# KiCad board data-center-rdimm-ddr4-tester.kicad_pcb
title: Data Center RDIMM DDR4 Tester; date: 2024-09-30; rev: 1.2.4
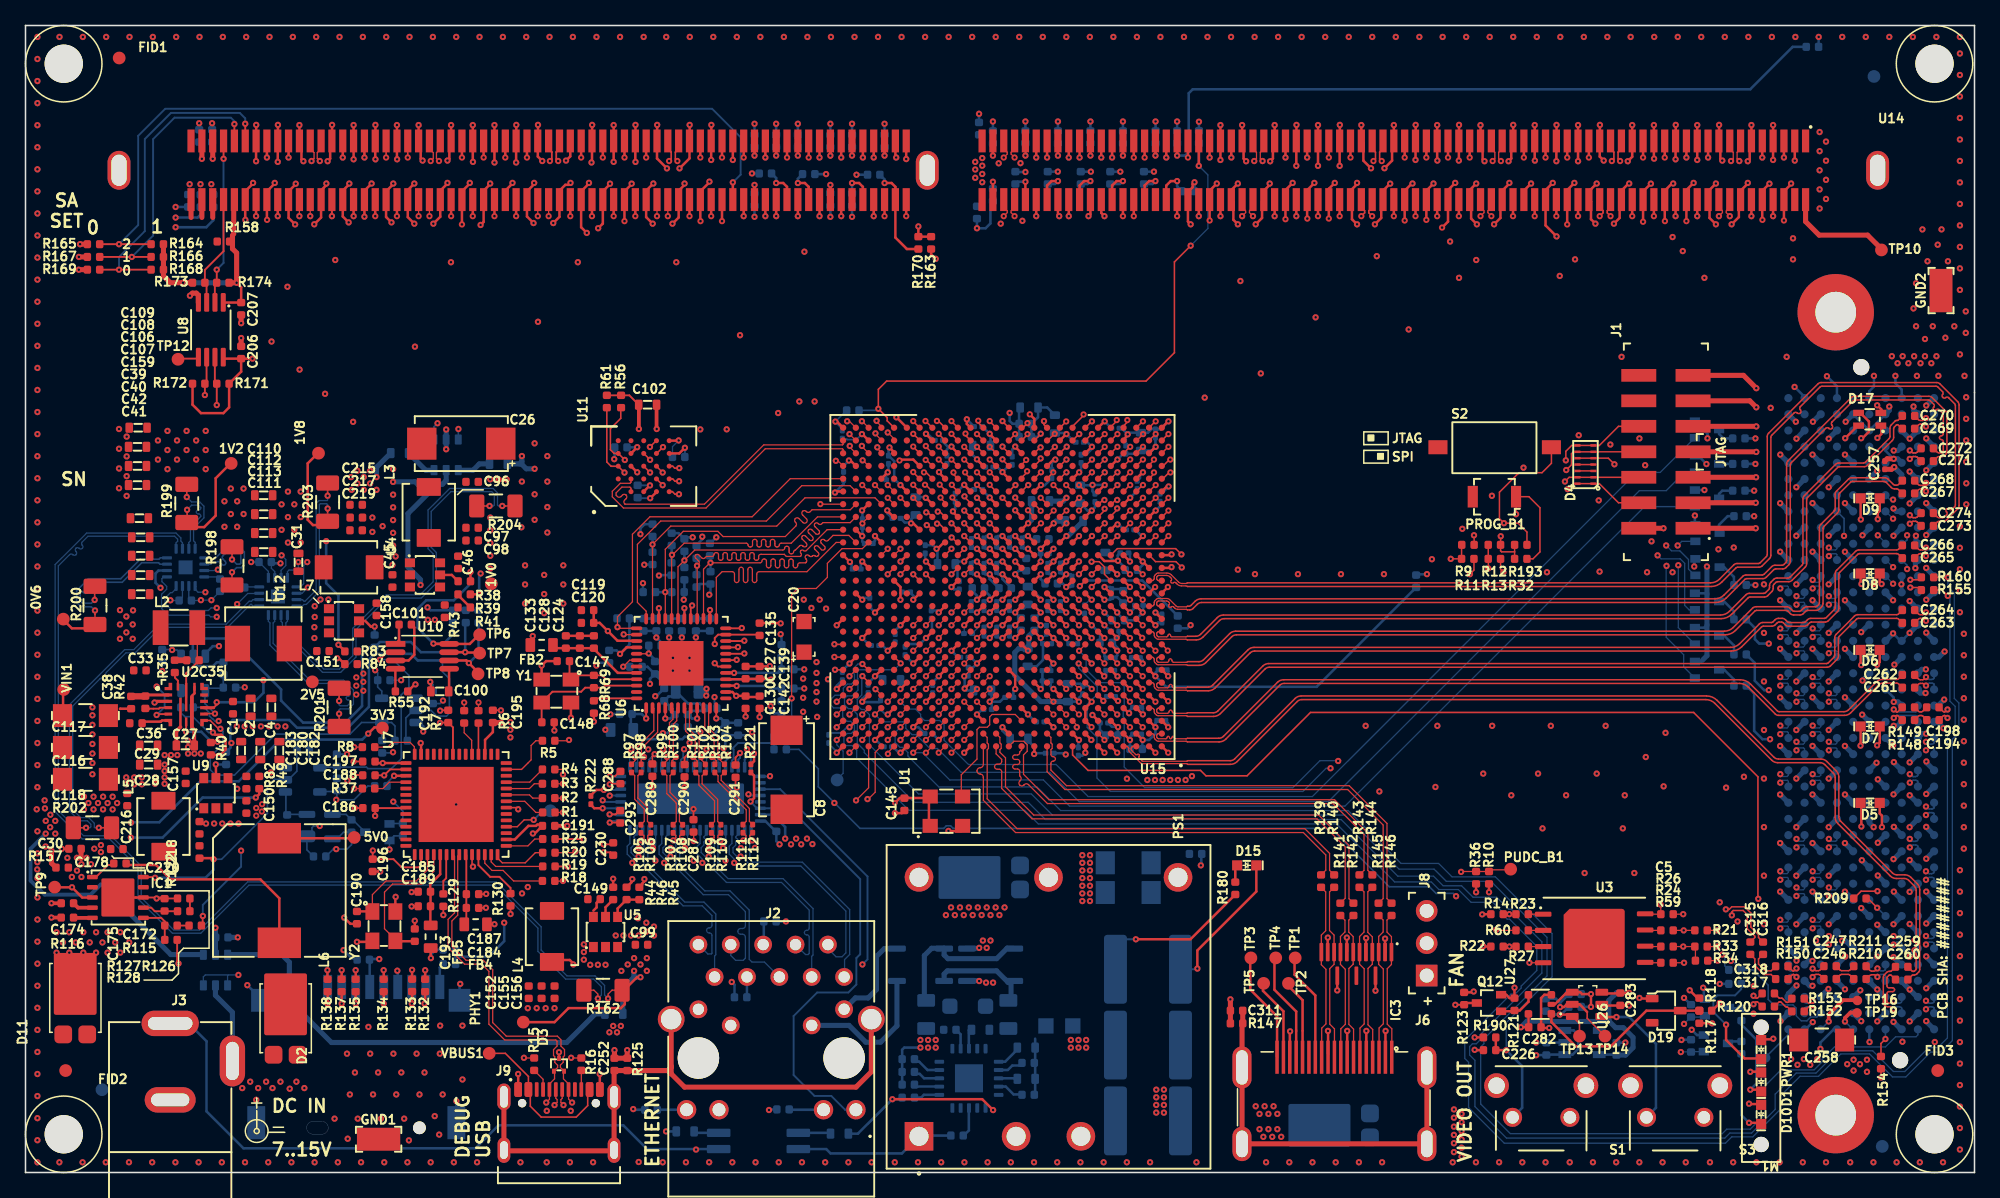
[diagram p0: board, top side]
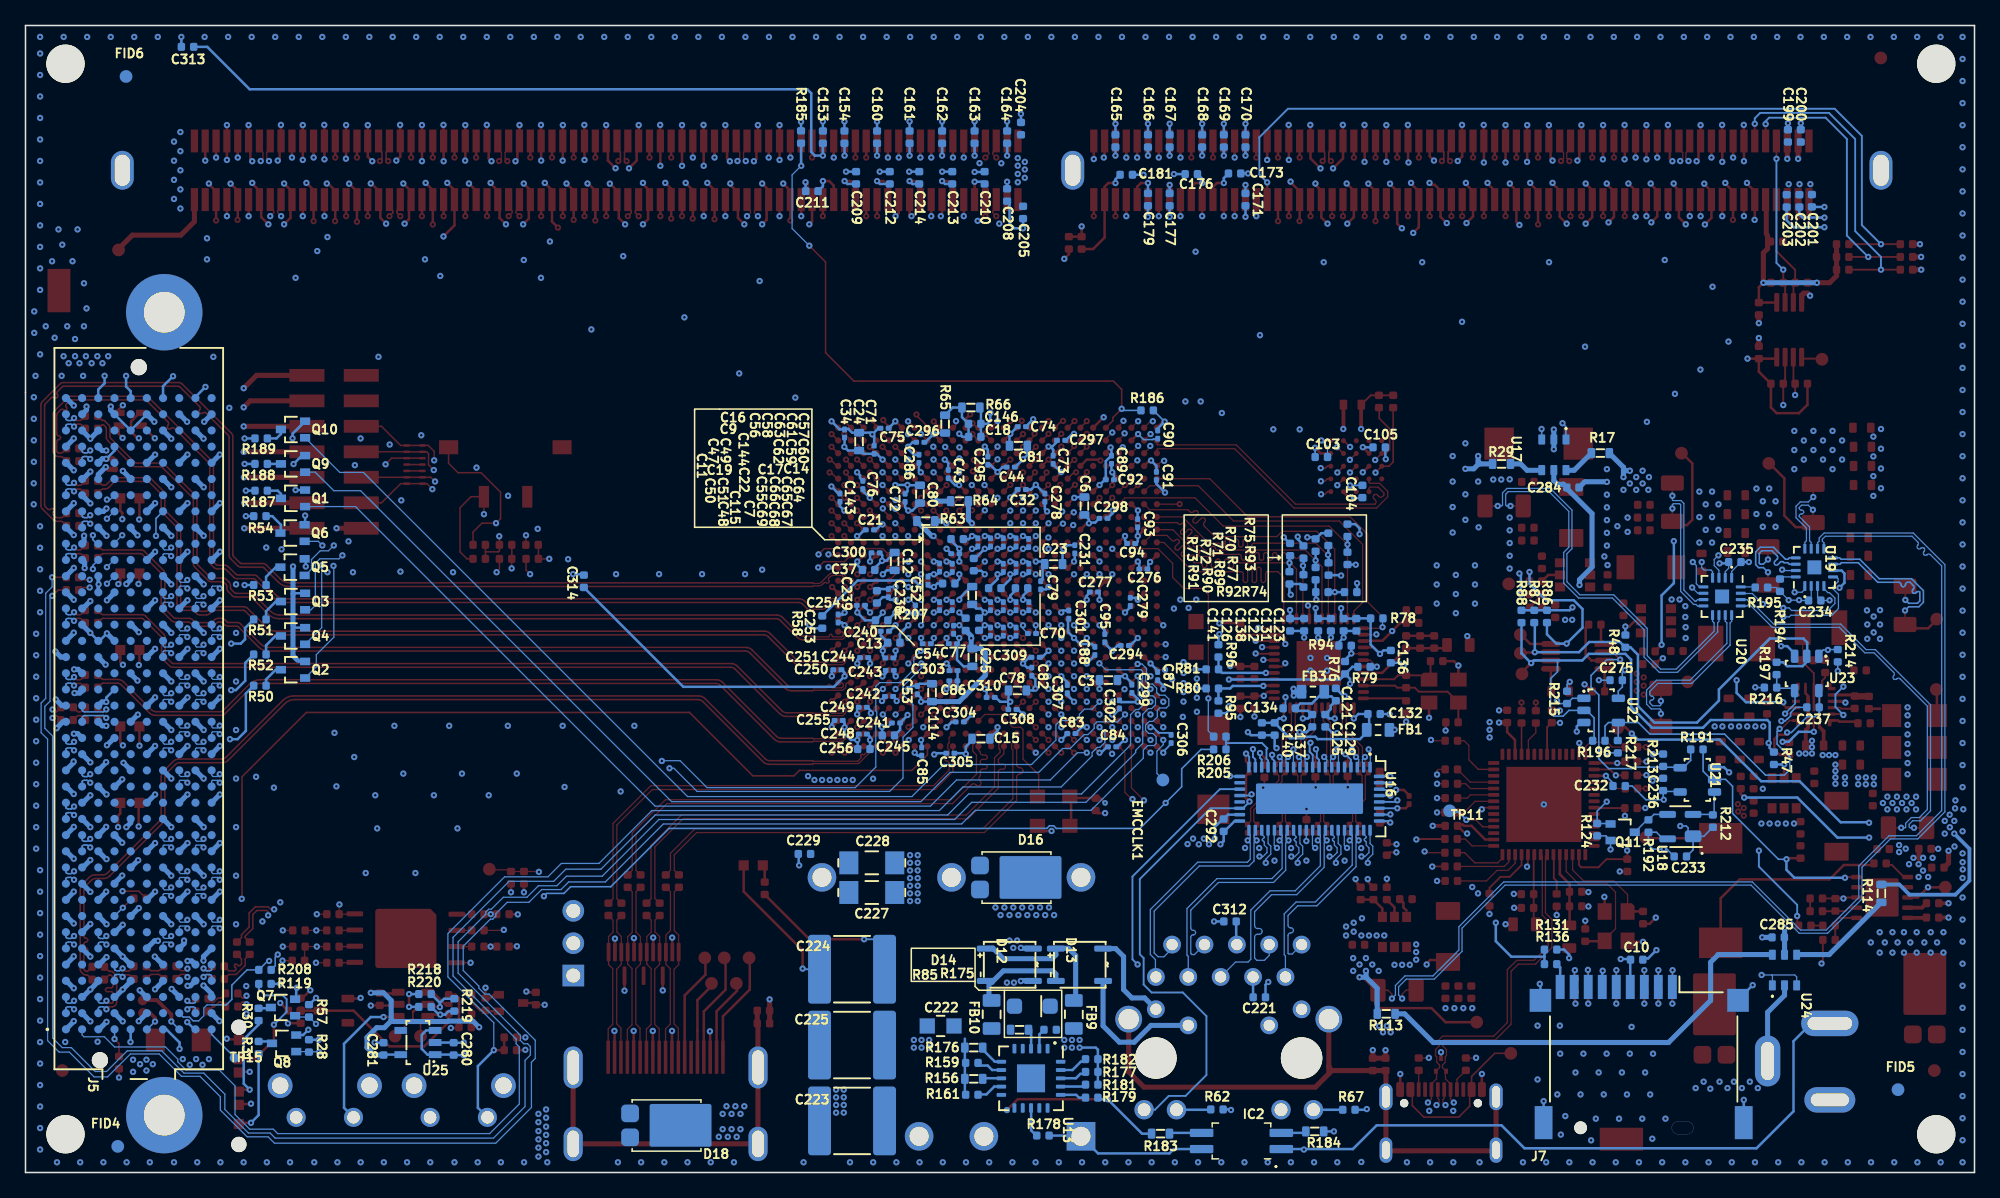
[diagram p1: board, bottom side, seen from below]

Outline 152.89 x 90 mm; copper layers: Top, In1.Cu (plane), In2.Cu, In3.Cu (plane), In4.Cu (plane), In5.Cu, In6.Cu (plane), In7.Cu, In8.Cu (plane), In9.Cu, In10.Cu (plane), Bottom. Coordinates in mm from the lower left corner of the outline.
Outline path: 0,90 152.89,90 152.89,0 0,0 0,90
Stack: Top 0.035mm / dielectric 0.074mm 1080(69%)+106(74%)S1000-2MB er 3.9 / In1.Cu 0.035mm / dielectric 0.112mm 1080(69%)+106(74%)S1000-2MB er 3.9 / In2.Cu 0.035mm / dielectric 0.126mm 1080(69%)+106(74%)S1000-2MB er 3.9 / In3.Cu 0.035mm / dielectric 0.126mm 1080(69%)+106(74%)S1000-2MB er 3.9 / In4.Cu 0.035mm / dielectric 0.13mm S1000-2M er 4.9 / In5.Cu 0.035mm / dielectric 0.106mm 1080(69%)+106(74%)S1000-2MB er 3.9 / In6.Cu 0.035mm / dielectric 0.2mm S1000-2M er 4.9 / In7.Cu 0.035mm / dielectric 0.114mm 106(74%)+1080(69%)S1000-2MB er 3.9 / In8.Cu 0.035mm / dielectric 0.1263mm 106(74%)+1080(69%)S1000-2MB er 3.9 / In9.Cu 0.035mm / dielectric 0.112mm 106(74%)+1080(69%)S1000-2MB er 3.9 / In10.Cu 0.035mm / dielectric 0.074mm 106(74%)+1080(69%)S1000-2MB er 3.9 / Bottom 0.035mm

## Placement (name value [footprint] x y rotation side)
0V6  TP_1mm_SMD  [Testpoint_smd_1mm]  2.97 43.42 90 top
1V0  TP_1mm_SMD  [Testpoint_smd_1mm]  36.54 46.19 90 top
1V2  TP_1mm_SMD  [Testpoint_smd_1mm]  16.14 55.64 0 top
1V8  TP_1mm_SMD  [Testpoint_smd_1mm]  22.99 56.44 90 top
2V5  TP_1mm_SMD  [Testpoint_smd_1mm]  22.5 38.5 180 top
3V3  TP_1mm_SMD  [Testpoint_smd_1mm]  28 34.88 0 top
5V0  TP_1mm_SMD  [Testpoint_smd_1mm]  25.79 26.29 180 top
C1  C_10u_0402  [C_0402_1005Metric]  16.28 36.47 270 top
C2  C_100n_0603  [C_0603_1608Metric]  17.66 36.5 270 top
C3  C_47u_0603  [C_0603_1608Metric]  67.94 38.64 0 bottom
C4  C_1u_0603  [C_0603_1608Metric]  19.29 36.5 270 top
C5  C_100n_0402  [C_0402_1005Metric]  128.77 20.27 0 top
C6  C_47u_0603  [C_0603_1608Metric]  69.82 52.3 90 bottom
C7  C_4u7_0402  [C_0402_1005Metric]  78.09 43.02 270 bottom
C8  C_330u_KEMET_D  [KEMET_D]  59.7 31.6 270 top
C9  C_100n_0201  [C_0201]  79.95 48.55 180 bottom
C10  C_1u_0402  [C_0402_1005Metric]  26.5 16.7 180 bottom
C11  C_100n_0201  [C_0201]  82.09 46.44 90 bottom
C12  C_47u_0603  [C_0603_1608Metric]  84.71 47.95 270 bottom
C13  C_470n_0402  [C_0402_1005Metric]  84.78 41.58 0 bottom
C14  C_4u7_0402  [C_0402_1005Metric]  74.75 45.85 0 bottom
C15  C_47u_0603  [C_0603_1608Metric]  77.94 34.04 180 bottom
C16  C_4u7_0402  [C_0402_1005Metric]  79.8 49.7 0 bottom
C17  C_4u7_0402  [C_0402_1005Metric]  76.85 45.85 0 bottom
C18  C_100n_0402  [C_0402_1005Metric]  78.43 57.72 180 bottom
C19  C_4u7_0402  [C_0402_1005Metric]  80.46 46.21 180 bottom
C20  C_100u_KEMET_A  [KEMET_A]  61.07 42.03 90 top
C21  C_100n_0201  [C_0201]  86.65 50.42 180 bottom
C22  C_47u_0603  [C_0603_1608Metric]  78.62 45.28 90 bottom
C23  C_47u_0603  [C_0603_1608Metric]  72.24 47.74 180 bottom
C24  C_47u_0603  [C_0603_1608Metric]  87.5 57.35 90 bottom
C25  C_47u_0603  [C_0603_1608Metric]  78.61 40.41 270 bottom
C26  C_330u_KEMET_D  [KEMET_D]  34.19 57.19 180 top
C27  C_10u_25V_0603  [C_0603_1608Metric]  12.54 33.5 0 top
C28  C_10u_25V_0603  [C_0603_1608Metric]  9.66 32 180 top
C29  C_10u_25V_0603  [C_0603_1608Metric]  9.66 33.5 180 top
C30  C_100n_0402  [C_0402_1005Metric]  3.88 25.4 180 top
C31  C_22u_0603  [C_0603_1608Metric]  21.41 47.88 90 top
C32  C_100n_0201  [C_0201]  74.74 53.59 180 bottom
C33  C_10u_0402  [C_0402_1005Metric]  8.97 39.4 180 top
C34  C_100n_0201  [C_0201]  88.64 57.99 90 bottom
C35  C_100n_0402  [C_0402_1005Metric]  13.14 40.19 0 top
C36  C_470n_0402  [C_0402_1005Metric]  8.66 35.25 180 top
C37  C_470n_0402  [C_0402_1005Metric]  86.75 47.28 0 bottom
C38  C_10u_0402  [C_0402_1005Metric]  8.29 36.88 270 top
C39  C_22u_0603  [C_0603_1608Metric]  9.04 49.84 180 top
C40  C_22u_0603  [C_0603_1608Metric]  9.04 48.39 180 top
C41  C_22u_0603  [C_0603_1608Metric]  9.04 45.38 180 top
C42  C_22u_0603  [C_0603_1608Metric]  9.04 46.88 180 top
C43  C_100n_0201  [C_0201]  80.5 54.8 90 bottom
C44  C_100n_0201  [C_0201]  75.6 55.35 0 bottom
C45  C_10u_0402  [C_0402_1005Metric]  28.79 46.41 90 top
C46  C_100n_0402  [C_0402_1005Metric]  33.94 47.87 90 top
C47  C_100n_0201  [C_0201]  81.19 47.46 270 bottom
C48  C_100n_0201  [C_0201]  80.09 42.59 270 bottom
C49  C_100n_0201  [C_0201]  80.19 47.44 90 bottom
C50  C_100n_0201  [C_0201]  81.19 44.44 270 bottom
C51  C_100n_0201  [C_0201]  80.19 44.44 90 bottom
C52  C_100n_0201  [C_0201]  83.08 44.18 90 bottom
C53  C_100n_0201  [C_0201]  82.93 37.85 90 bottom
C54  C_100n_0201  [C_0201]  82.19 41.49 180 bottom
C55  C_100n_0201  [C_0201]  77.19 44.44 90 bottom
C56  C_100n_0201  [C_0201]  78.19 49.44 270 bottom
C57  C_100n_0201  [C_0201]  74.2 49.39 270 bottom
C58  C_100n_0201  [C_0201]  77.19 49.44 90 bottom
C59  C_100n_0201  [C_0201]  75.19 47.44 90 bottom
C60  C_100n_0201  [C_0201]  74.19 47.44 270 bottom
C61  C_100n_0201  [C_0201]  75.19 49.44 90 bottom
C62  C_100n_0201  [C_0201]  76.19 47.44 270 bottom
C63  C_100n_0201  [C_0201]  76.19 49.44 270 bottom
C64  C_100n_0201  [C_0201]  74.19 44.44 270 bottom
C65  C_100n_0201  [C_0201]  75.19 44.44 90 bottom
C66  C_100n_0201  [C_0201]  76.19 44.44 270 bottom
C67  C_100n_0201  [C_0201]  75.19 42.44 90 bottom
C68  C_100n_0201  [C_0201]  76.19 42.44 270 bottom
C69  C_100n_0201  [C_0201]  77.19 42.44 90 bottom
C70  C_100n_0201  [C_0201]  73.94 42.29 180 bottom
C71  C_100n_0201  [C_0201]  86.31 56.71 90 bottom
C72  C_100n_0201  [C_0201]  83.89 52.94 90 bottom
C73  C_100n_0201  [C_0201]  72.28 55.92 90 bottom
C74  C_100n_0201  [C_0201]  74.72 58.53 0 bottom
C75  C_100n_0201  [C_0201]  85.5 58.4 0 bottom
C76  C_100n_0201  [C_0201]  87.2 53.95 90 bottom
C77  C_100n_0201  [C_0201]  80.14 41.49 180 bottom
C78  C_47u_0603  [C_0603_1608Metric]  75.07 37.83 0 bottom
C79  C_100n_0201  [C_0201]  73.25 46.08 270 bottom
C80  C_47u_0603  [C_0603_1608Metric]  82.72 53.22 90 bottom
C81  C_47u_0603  [C_0603_1608Metric]  75 57.03 0 bottom
C82  C_100n_0201  [C_0201]  73.95 39.3 90 bottom
C83  C_100n_0201  [C_0201]  70.85 34.44 180 bottom
C84  C_100n_0201  [C_0201]  67.65 33.4 180 bottom
C85  C_100n_0201  [C_0201]  82.59 33.03 270 bottom
C86  C_100n_0201  [C_0201]  80.1 38.58 180 bottom
C87  C_100n_0201  [C_0201]  64.07 38.95 90 bottom
C88  C_100n_0201  [C_0201]  69 40.92 90 bottom
C89  C_100n_0201  [C_0201]  67.7 55.92 270 bottom
C90  C_100n_0201  [C_0201]  64.07 57.9 270 bottom
C91  C_100n_0201  [C_0201]  64.18 54.65 270 bottom
C92  C_100n_0201  [C_0201]  67.82 54.35 180 bottom
C93  C_100n_0201  [C_0201]  65.65 50.95 270 bottom
C94  C_100n_0201  [C_0201]  66.15 49.35 180 bottom
C95  C_100n_0201  [C_0201]  68.22 41.92 270 bottom
C96  C_22u_0402  [C_0402_1005Metric]  35.04 54.19 0 top
C97  C_22u_0402  [C_0402_1005Metric]  35.04 50.59 0 top
C98  C_1u_0402  [C_0402_1005Metric]  35.04 49.59 0 top
C99  C_10u_0402  [C_0402_1005Metric]  48.32 17.87 0 top
C100  C_10n_0603  [C_0603_1608Metric]  32.5 37.75 180 top
C101  C_100n_0402  [C_0402_1005Metric]  29.79 42.99 0 top
C102  C_47u_0603  [C_0603_1608Metric]  48.8 60.24 0 top
C103  C_100n_0402  [C_0402_1005Metric]  51.24 56.14 180 bottom
C104  C_100n_0402  [C_0402_1005Metric]  48.02 53.44 90 bottom
C105  C_100n_0402  [C_0402_1005Metric]  46.7 56.9 180 bottom
C106  C_10n_0603  [C_0603_1608Metric]  8.79 55.44 180 top
C107  C_10n_0603  [C_0603_1608Metric]  8.79 53.94 180 top
C108  C_10n_0603  [C_0603_1608Metric]  8.79 56.94 180 top
C109  C_10n_0603  [C_0603_1608Metric]  8.84 58.44 180 top
C110  C_10n_0603  [C_0603_1608Metric]  18.69 53.14 0 top
C111  C_10n_0603  [C_0603_1608Metric]  18.69 48.69 0 top
C112  C_10n_0603  [C_0603_1608Metric]  18.69 51.66 0 top
C113  C_10n_0603  [C_0603_1608Metric]  18.69 50.17 0 top
C114  C_47u_0603  [C_0603_1608Metric]  81.78 37.65 90 bottom
C115  C_4u7_0402  [C_0402_1005Metric]  79.14 43.01 90 bottom
C116  C_47u_16V_1206  [C_1206_3216Metric]  4.7 33.35 0 top
C117  C_47u_16V_1206  [C_1206_3216Metric]  4.7 35.85 0 top
C118  C_47u_16V_1206  [C_1206_3216Metric]  4.7 30.85 0 top
C119  C_4u7_0402  [C_0402_1005Metric]  44.09 44.13 180 top
C120  C_470n_0402  [C_0402_1005Metric]  44.09 43.13 180 top
C121  C_4u7_0402  [C_0402_1005Metric]  50.1 37.5 90 bottom
C122  C_470n_0402  [C_0402_1005Metric]  50.49 42.98 270 bottom
C123  C_4u7_0402  [C_0402_1005Metric]  48.49 42.98 270 bottom
C124  C_4u7_0402  [C_0402_1005Metric]  44.59 41.63 270 top
C125  C_470n_0402  [C_0402_1005Metric]  51.95 35.45 270 bottom
C126  C_470n_0402  [C_0402_1005Metric]  52.59 42.98 270 bottom
C127  C_470n_0402  [C_0402_1005Metric]  56.49 39.23 90 top
C128  C_100n_16V_0402  [C_0402_1005Metric]  43.49 41.63 270 top
C129  C_10n_0402  [C_0402_1005Metric]  50.93 35.45 270 bottom
C130  C_470n_0402  [C_0402_1005Metric]  56.49 36.9 270 top
C131  C_10n_0402  [C_0402_1005Metric]  49.49 42.98 270 bottom
C132  C_4u7_0402  [C_0402_1005Metric]  47.1 35.97 180 bottom
C133  C_10n_0402  [C_0402_1005Metric]  42.39 41.63 270 top
C134  C_10n_0402  [C_0402_1005Metric]  53.75 36.42 0 bottom
C135  C_10n_0402  [C_0402_1005Metric]  57.59 42.63 90 top
C136  C_10n_0402  [C_0402_1005Metric]  45.79 40.48 270 bottom
C137  C_4u7_0402  [C_0402_1005Metric]  54.9 34.8 270 bottom
C138  C_10n_0402  [C_0402_1005Metric]  51.49 42.98 270 bottom
C139  C_10n_0402  [C_0402_1005Metric]  57.59 39.23 90 top
C140  C_4u7_0402  [C_0402_1005Metric]  55.9 34.8 270 bottom
C141  C_10n_0402  [C_0402_1005Metric]  53.69 42.98 270 bottom
C142  C_10n_0402  [C_0402_1005Metric]  57.59 36.9 270 top
C143  C_100n_0201  [C_0201]  89 52.95 270 bottom
C144  C_4u7_0402  [C_0402_1005Metric]  78.5 47.7 270 bottom
C145  C_100n_0402  [C_0402_1005Metric]  68.94 28.89 270 top
C146  C_100n_0402  [C_0402_1005Metric]  78.43 58.75 180 bottom
C147  C_22p_0402  [C_0402_1005Metric]  42.19 40.13 180 top
C148  C_22p_0402  [C_0402_1005Metric]  40.99 35.33 0 top
C149  C_100n_0402  [C_0402_1005Metric]  44.6 21.45 180 top
C150  C_10u_0402  [C_0402_1005Metric]  17.33 28.68 270 top
C151  C_10u_0402  [C_0402_1005Metric]  23.34 40.91 180 top
C152  C_22u_0402  [C_0402_1005Metric]  39.47 14.15 270 top
C153  C_100n_0402  [C_0402_1005Metric]  90.34 81.24 90 bottom
C154  C_100n_0402  [C_0402_1005Metric]  88.65 81.24 90 bottom
C155  C_22u_0402  [C_0402_1005Metric]  40.48 14.15 270 top
C156  C_1u_0402  [C_0402_1005Metric]  41.5 14.15 270 top
C157  C_100n_0402  [C_0402_1005Metric]  12.57 31.01 270 top
C158  C_100n_0402  [C_0402_1005Metric]  27.54 44.19 90 top
C159  C_22u_0603  [C_0603_1608Metric]  8.94 51.34 180 top
C160  C_100n_0402  [C_0402_1005Metric]  86.09 81.24 90 bottom
C161  C_100n_0402  [C_0402_1005Metric]  83.54 81.24 90 bottom
C162  C_100n_0402  [C_0402_1005Metric]  80.99 81.24 90 bottom
C163  C_100n_0402  [C_0402_1005Metric]  78.44 81.24 90 bottom
C164  C_100n_0402  [C_0402_1005Metric]  75.89 81.24 90 bottom
C165  C_100n_0402  [C_0402_1005Metric]  67.39 80.94 90 bottom
C166  C_100n_0402  [C_0402_1005Metric]  64.84 80.94 90 bottom
C167  C_100n_0402  [C_0402_1005Metric]  63.14 80.94 90 bottom
C168  C_100n_0402  [C_0402_1005Metric]  60.59 80.94 90 bottom
C169  C_100n_0402  [C_0402_1005Metric]  58.89 80.94 90 bottom
C170  C_100n_0402  [C_0402_1005Metric]  57.19 80.94 90 bottom
C171  C_100n_0402  [C_0402_1005Metric]  57.19 76.34 270 bottom
C172  C_4n7_0402  [C_0402_1005Metric]  12.41 21.5 180 top
C173  C_100n_0402  [C_0402_1005Metric]  58.04 78.39 180 bottom
C174  C_10n_0402  [C_0402_1005Metric]  3.29 21.13 0 top
C175  C_47p_0402  [C_0402_1005Metric]  10.91 21 90 top
C176  C_100n_0402  [C_0402_1005Metric]  61.44 78.34 0 bottom
C177  C_100n_0402  [C_0402_1005Metric]  63.14 76.34 270 bottom
C178  C_100n_0402  [C_0402_1005Metric]  7.41 24.25 0 top
C179  C_100n_0402  [C_0402_1005Metric]  64.84 76.34 270 bottom
C180  C_47u_0603  [C_0603_1608Metric]  18.42 33.11 90 top
C181  C_100n_0402  [C_0402_1005Metric]  66.54 78.29 180 bottom
C182  C_47u_0603  [C_0603_1608Metric]  19.92 33.11 90 top
C183  C_47u_0603  [C_0603_1608Metric]  16.92 33.11 90 top
C184  C_100n_0402  [C_0402_1005Metric]  35.07 20.76 0 top
C185  C_100n_0402  [C_0402_1005Metric]  31.29 22.03 180 top
C186  C_100n_0402  [C_0402_1005Metric]  26.95 28.59 180 top
C187  C_4u7_0402  [C_0402_1005Metric]  35.07 21.84 0 top
C188  C_100n_0402  [C_0402_1005Metric]  26.94 31.17 180 top
C189  C_4u7_0402  [C_0402_1005Metric]  31.29 20.89 180 top
C190  C_18p_0402  [C_0402_1005Metric]  26 20 270 top
C191  C_100n_0402  [C_0402_1005Metric]  41.03 27.2 0 top
C192  C_100n_0402  [C_0402_1005Metric]  33.16 35.79 90 top
C193  C_18p_0402  [C_0402_1005Metric]  30.54 18.63 90 top
C194  C_100n_0402  [C_0402_1005Metric]  149.63 35.5 0 top
C195  C_4u7_0402  [C_0402_1005Metric]  36.66 35.79 90 top
C196  C_100n_0402  [C_0402_1005Metric]  27.24 24.1 270 top
C197  C_100n_0402  [C_0402_1005Metric]  26.94 32.25 180 top
C198  C_100n_0402  [C_0402_1005Metric]  149.62 36.5 0 top
C199  C_100n_0402  [C_0402_1005Metric]  14.64 81.34 90 bottom
C200  C_100n_0402  [C_0402_1005Metric]  13.63 81.34 90 bottom
C201  C_100n_0402  [C_0402_1005Metric]  12.76 76.25 270 bottom
C202  C_100n_0402  [C_0402_1005Metric]  13.74 76.24 270 bottom
C203  C_100n_0402  [C_0402_1005Metric]  14.74 76.24 270 bottom
C204  C_100n_0402  [C_0402_1005Metric]  74.8 81.91 90 bottom
C205  C_100n_0402  [C_0402_1005Metric]  74.64 75.33 270 bottom
C206  C_100n_0402  [C_0402_1005Metric]  16.92 64.34 90 top
C207  C_100n_0402  [C_0402_1005Metric]  16.92 67.77 270 top
C208  C_100n_0402  [C_0402_1005Metric]  75.89 76.7 270 bottom
C209  C_100n_0402  [C_0402_1005Metric]  87.73 78.05 90 bottom
C210  C_100n_0402  [C_0402_1005Metric]  77.65 78.05 90 bottom
C211  C_100n_0402  [C_0402_1005Metric]  91.2 77 0 bottom
C212  C_100n_0402  [C_0402_1005Metric]  85.09 78.05 90 bottom
C213  C_100n_0402  [C_0402_1005Metric]  80.19 78.05 90 bottom
C214  C_100n_0402  [C_0402_1005Metric]  82.78 78.05 90 bottom
C215  C_22u_0402  [C_0402_1005Metric]  25.94 52.39 0 top
C216  C_22u_0402  [C_0402_1005Metric]  7.98 29.26 90 top
C217  C_22u_0402  [C_0402_1005Metric]  25.95 51.39 0 top
C218  C_22u_0402  [C_0402_1005Metric]  13.65 27.05 90 top
C219  C_1u_0402  [C_0402_1005Metric]  25.94 50.39 0 top
C220  C_1u_0402  [C_0402_1005Metric]  7.17 25.38 180 top
C221  C_100n_16V_0402  [C_0402_1005Metric]  56.1 13.75 180 bottom
C222  C_100n_0805_100V  [C_0805_2012Metric]  81.1 11.5 180 bottom
C223  C_22u_100V_2220  [C_2220_5650Metric]  88.05 4.05 0 bottom
C224  C_22u_100V_2220  [C_2220_5650Metric]  88.05 15.95 0 bottom
C225  C_22u_100V_2220  [C_2220_5650Metric]  88.05 10 0 bottom
C226  C_1u_0402  [C_0402_1005Metric]  114.85 9.6 180 top
C227  C_47u_16V_1206  [C_1206_3216Metric]  86.5 21.97 180 bottom
C228  C_47u_16V_1206  [C_1206_3216Metric]  86.5 24.3 180 bottom
C229  C_100n_0402  [C_0402_1005Metric]  91.78 25 0 bottom
C230  C_4u7_0402  [C_0402_1005Metric]  46.1 25.39 270 top
C231  C_100n_0201  [C_0201]  70.57 48.9 90 bottom
C232  C_100n_0402  [C_0402_1005Metric]  27.88 30.33 0 bottom
C233  C_100n_0402  [C_0402_1005Metric]  23.07 24.8 180 bottom
C234  C_100n_0402  [C_0402_1005Metric]  12.53 44.88 180 bottom
C235  C_100n_0402  [C_0402_1005Metric]  18.8 47.9 180 bottom
C236  C_100n_0402  [C_0402_1005Metric]  24.43 30.45 90 bottom
C237  C_100n_0402  [C_0402_1005Metric]  12.67 36.5 0 bottom
C238  C_100n_0201  [C_0201]  85.2 45.46 90 bottom
C239  C_4u7_0402  [C_0402_1005Metric]  86.1 45.17 90 bottom
C240  C_100n_0201  [C_0201]  85.47 42.47 0 bottom
C241  C_100n_0201  [C_0201]  84.6 35.28 0 bottom
C242  C_100n_0201  [C_0201]  85.15 37.35 0 bottom
C243  C_100n_0201  [C_0201]  85.09 39.4 0 bottom
C244  C_100n_0201  [C_0201]  85.12 40.38 0 bottom
C245  C_4u7_0402  [C_0402_1005Metric]  85.2 34.3 0 bottom
C246  C_100n_0402  [C_0402_1005Metric]  141.56 15.19 180 top
C247  C_100n_0402  [C_0402_1005Metric]  141.56 16.19 180 top
C248  C_100n_0201  [C_0201]  87.2 34.4 180 bottom
C249  C_100n_0201  [C_0201]  87.2 36.5 180 bottom
C250  C_100n_0201  [C_0201]  89.2 39.45 0 bottom
C251  C_100n_0201  [C_0201]  87.1 40.4 180 bottom
C252  C_100n_0402  [C_0402_1005Metric]  46.2 8.48 90 top
C253  C_100n_0201  [C_0201]  89.14 43.47 90 bottom
C254  C_100n_0201  [C_0201]  87.35 44.5 180 bottom
C255  C_100n_0201  [C_0201]  89.1 35.47 0 bottom
C256  C_4u7_0402  [C_0402_1005Metric]  87.12 33.22 180 bottom
C257  C_100n_0201  [C_0201]  145.85 55.5 90 top
C258  C_47u_16V_1206  [C_1206_3216Metric]  140.9 10.4 180 top
C259  C_100n_0402  [C_0402_1005Metric]  147.18 16.14 0 top
C260  C_100n_0402  [C_0402_1005Metric]  147.18 15.14 0 top
C261  C_100n_0402  [C_0402_1005Metric]  147.71 38.05 180 top
C262  C_100n_0402  [C_0402_1005Metric]  147.71 39.05 180 top
C263  C_100n_0402  [C_0402_1005Metric]  147.71 43.12 180 top
C264  C_100n_0402  [C_0402_1005Metric]  147.71 44.12 180 top
C265  C_100n_0402  [C_0402_1005Metric]  147.71 48.2 180 top
C266  C_100n_0402  [C_0402_1005Metric]  147.71 49.2 180 top
C267  C_100n_0402  [C_0402_1005Metric]  147.71 53.28 180 top
C268  C_100n_0402  [C_0402_1005Metric]  147.71 54.28 180 top
C269  C_100n_0402  [C_0402_1005Metric]  147.71 58.36 180 top
C270  C_100n_0402  [C_0402_1005Metric]  147.71 59.36 180 top
C271  C_100n_0402  [C_0402_1005Metric]  149.18 55.82 0 top
C272  C_100n_0402  [C_0402_1005Metric]  149.18 56.82 180 top
C273  C_100n_0402  [C_0402_1005Metric]  149.18 50.74 0 top
C274  C_100n_0402  [C_0402_1005Metric]  149.18 51.74 0 top
C275  C_100n_0402  [C_0402_1005Metric]  28.11 38.63 0 bottom
C276  C_100n_0201  [C_0201]  65.2 47.35 0 bottom
C277  C_100n_0201  [C_0201]  69.07 45.55 0 bottom
C278  C_100n_0201  [C_0201]  72.93 52.95 90 bottom
C279  C_100n_0201  [C_0201]  66.22 44.78 270 bottom
C280  C_1u_16V_0402  [C_0402_1005Metric]  119.3 9.7 90 bottom
C281  C_1u_0402  [C_0402_1005Metric]  124.8 9.7 90 bottom
C282  C_100n_0402  [C_0402_1005Metric]  118.4 11.4 0 top
C283  C_100n_0402  [C_0402_1005Metric]  125.1 13.6 270 top
C284  C_100n_0402  [C_0402_1005Metric]  31.5 53.75 180 bottom
C285  C_100n_0402  [C_0402_1005Metric]  15.4 18.45 0 bottom
C286  C_100n_0201  [C_0201]  82.8 56 90 bottom
C287  C_100n_0402  [C_0402_1005Metric]  52.4 27.2 90 top
C288  C_100n_0402  [C_0402_1005Metric]  46.67 30.99 270 top
C289  C_100n_0402  [C_0402_1005Metric]  49.18 31.58 270 top
C290  C_100n_0402  [C_0402_1005Metric]  51.7 31.53 270 top
C291  C_100n_0402  [C_0402_1005Metric]  55.7 31.49 270 top
C292  C_100n_0402  [C_0402_1005Metric]  58.9 27.25 270 bottom
C293  C_100n_0402  [C_0402_1005Metric]  46.65 27.91 270 top
C294  C_100n_0201  [C_0201]  66.65 41.35 0 bottom
C295  C_100n_0201  [C_0201]  77.4 55.85 270 bottom
C296  C_100n_0201  [C_0201]  82.7 57.3 0 bottom
C297  C_100n_0201  [C_0201]  71.65 57.45 0 bottom
C298  C_100n_0201  [C_0201]  68.32 51.33 180 bottom
C299  C_100n_0201  [C_0201]  66.1 37.95 270 bottom
C300  C_100n_0201  [C_0201]  86.2 48.62 0 bottom
C301  C_100n_0201  [C_0201]  71.05 43.78 270 bottom
C302  C_100n_0201  [C_0201]  67.07 36.73 90 bottom
C303  C_100n_0201  [C_0201]  80.09 39.38 180 bottom
C304  C_100n_0201  [C_0201]  79.6 35.36 0 bottom
C305  C_100n_0201  [C_0201]  80.34 32.9 0 bottom
C306  C_100n_0201  [C_0201]  63.02 34.02 270 bottom
C307  C_100n_0201  [C_0201]  71.16 37.93 90 bottom
C308  C_100n_0201  [C_0201]  75.47 36.33 0 bottom
C309  C_100n_0201  [C_0201]  73.65 40.42 0 bottom
C310  C_100n_0201  [C_0201]  77.18 37.28 180 bottom
C311  C_100n_0402  [C_0402_1005Metric]  95 12.7 180 top
C312  C_100n_16V_0402  [C_0402_1005Metric]  58.4 19.7 0 bottom
C313  C_100n_0402  [C_0402_1005Metric]  140.17 88.32 0 bottom
C314  C_100n_0402  [C_0402_1005Metric]  109.09 46.39 90 bottom
C315  C_100n_0402  [C_0402_1005Metric]  135.3 17.6 270 top
C316  C_100n_0402  [C_0402_1005Metric]  136.3 17.6 270 top
C317  C_100n_0402  [C_0402_1005Metric]  136.71 13.03 0 top
C318  C_100n_0402  [C_0402_1005Metric]  136.71 14.05 0 top
D1  LED_G_0603_KP-1608CGCK  [LED_0603_1608Metric_G]  136.15 7.1 270 top
D2  PDS760  [PowerDI5]  20.4 12.1 90 top
D3  TPD2E009_SOT-9X3  [SOT-723]  41.85 8.45 90 top
D4  TPD6E05U06RVZR  [USON-14_3.5X1.3X0.5mm_P0.5mm]  122.37 55.55 90 top
D5  LED_G_0603_KP-1608CGCK  [LED_0603_1608Metric_G]  144.7 29 180 top
D6  LED_G_0603_KP-1608CGCK  [LED_0603_1608Metric_G]  144.7 41 180 top